# Altium PCB MATEKH743.PcbDoc (part 2 of 2)
Units mil, origin at the board's own origin, x right, y up, seen from the top; angles counter-clockwise.
Board outline 1417.32 x 1417.32 mil, 4 copper layers (Top Layer, GND, Power, Bottom Layer), stack 23.756 mil thick; 175 components, 127 nets, 521 pads, 215 vias.
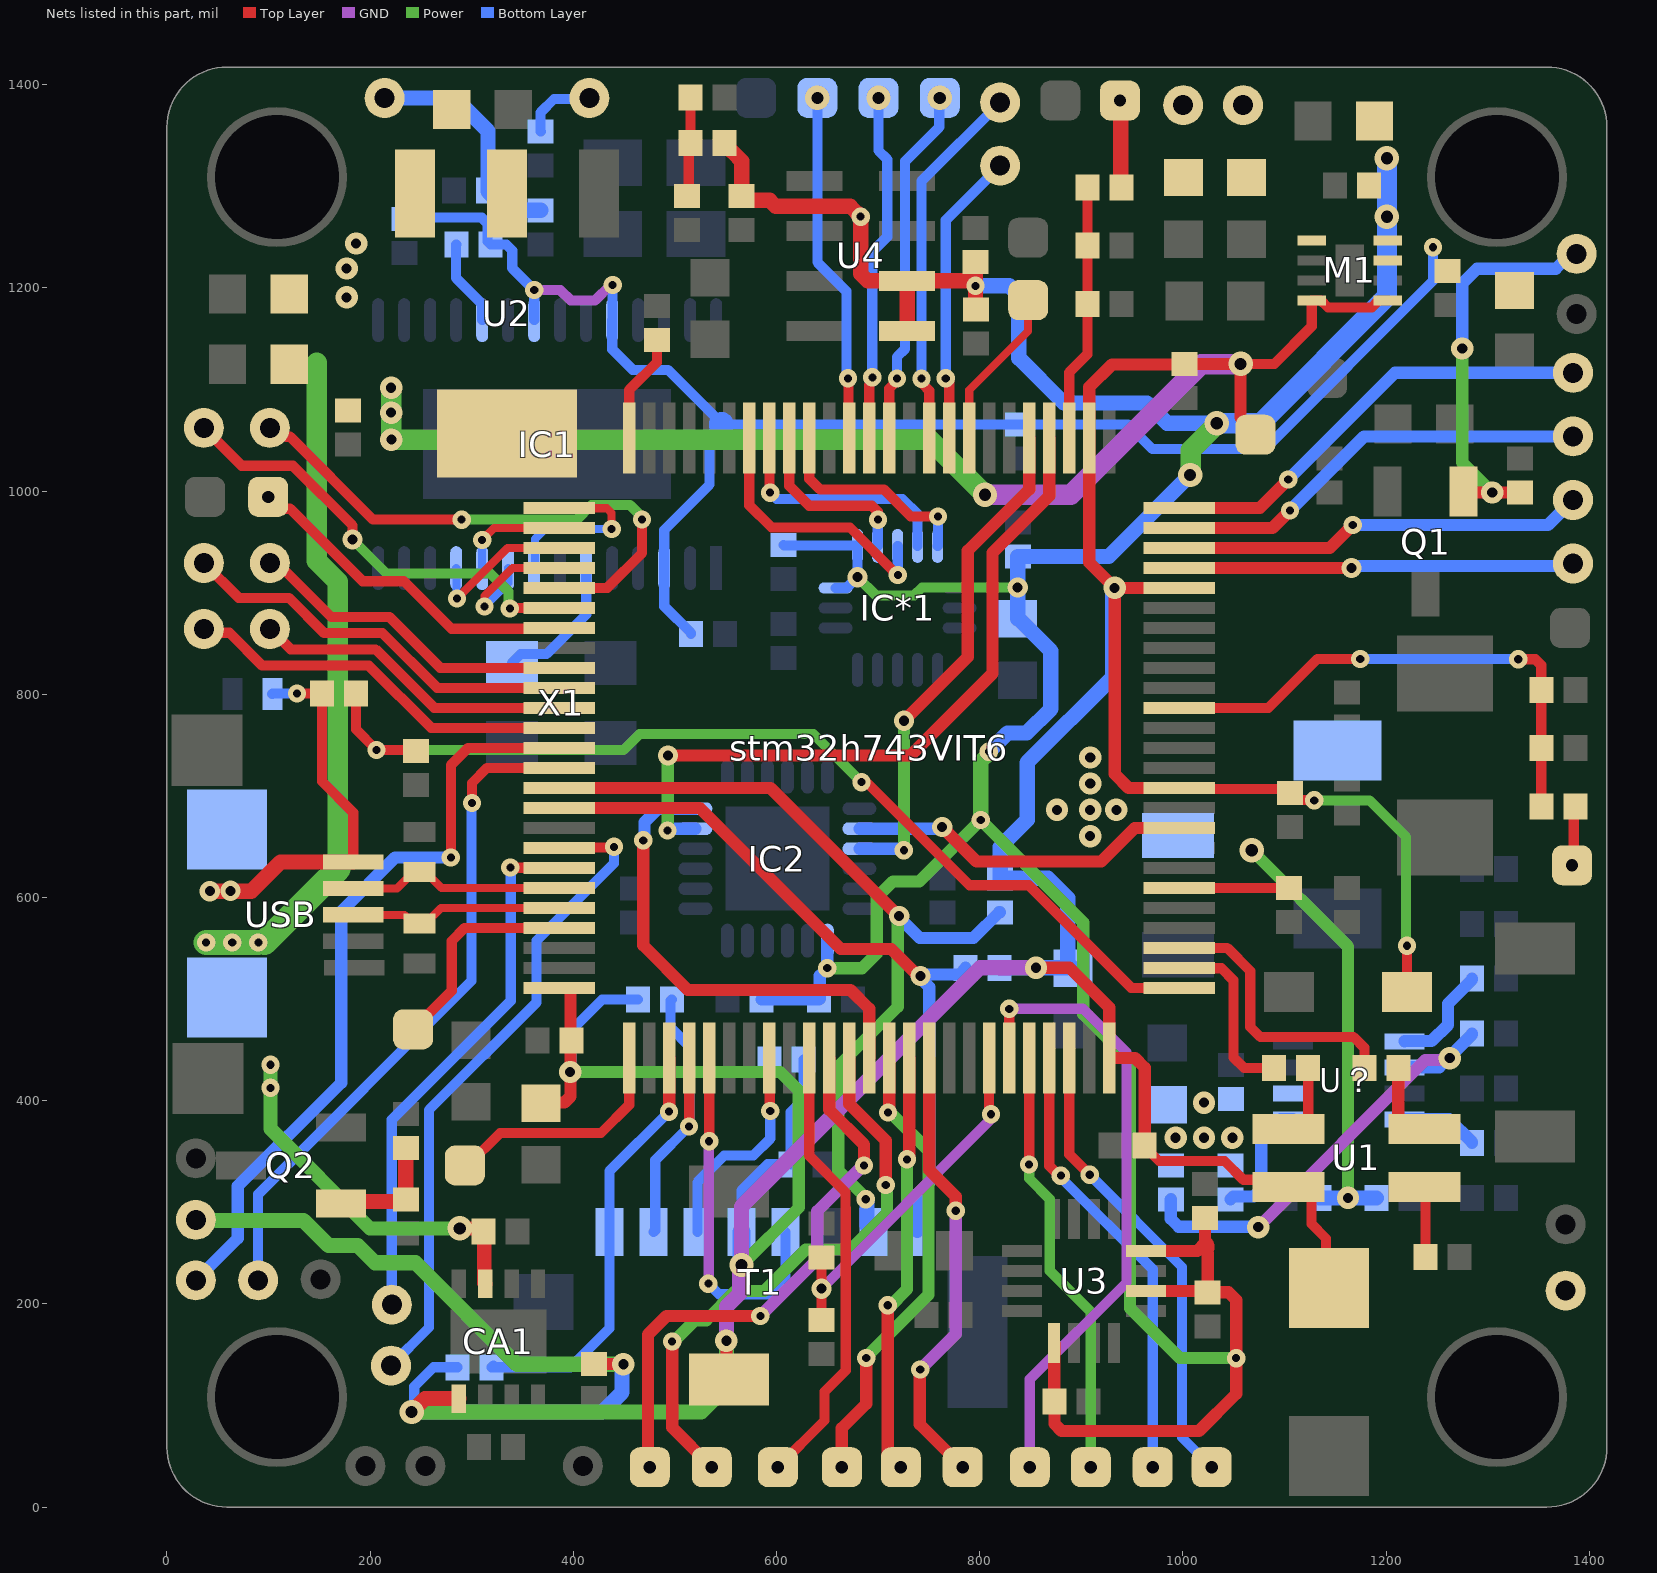
[diagram p4: the nets of this part, all layers, seen from the top]

## Via types
v1: diameter 18, hole 8, Top Layer to Bottom Layer, tented both sides, 128 vias
v2: diameter 22, hole 10, Top Layer to Bottom Layer, tented both sides, 35 vias
v3: diameter 24, hole 12, Top Layer to Bottom Layer, tented both sides, 34 vias
v4: diameter 20, hole 10, Top Layer to Bottom Layer, tented both sides, 16 vias
v5: diameter 18, hole 16, Top Layer to Bottom Layer, 2 vias

## Nets (pads, with @x,y where several pads share a name; then routed paths per layer and width w, separated by ;. In a path a pad name is that pad's centre, name@x,y a point inside that pad or via, vN(x,y) a via of type N, cw(c..) or ccw(c..) an arc to the next point about the centre after c; other vN are vias at no path point) (continued)
NetIC1_6: IC1.6 X1.1 | length 138.5
  Bottom Layer w10: X1.1@339.52,830.93 348.29,839.7 373.7,839.7 412.69,878.69 IC1.6@412.69,924.25
NetIC1_19: IC1.19 R37.1 | length 85.3
  Bottom Layer w10: R37.1@285.13,1242.9 284.7,1242.47 284.7,1209.72 310.32,1184.1 IC1.19@310.32,1168.35
NetQ2_1: Q2.1 R45.2 R46.1 | length 116
  Top Layer w15: Q2.1@171.33,298.9 173.4,300.97 233.05,300.97 R45.2@235.12,303.03 R46.1@235.12,353.57
NetR1_1: R1.1 stm32h743VIT6.6 | length 108.2
  Top Layer w10: stm32h743VIT6.6@996.42,609.5 996.55,609.37 1104.36,609.37 R1.1@1104.5,609.23
NetR8_2: R8.2 R9.2 stm32h743VIT6.94 | length 358.8
  Top Layer w10: R9.2@644.3,184.3 v4(644.3,215.07) R8.2@644.3,245.84 ; stm32h743VIT6.94@809.41,442.18 809,441.77 809,390.96 811.1,388.86 v1(811.1,386.7)
  GND w10: v4(644.3,215.07) 809.9,380.67 809.9,385.5 v1(811.1,386.7)
NetR12_1: R12.1 U1.2 | length 73.7
  Top Layer w10: U1.2@1103.9,372.26 1113.57,372.26 1123.33,382.02 R12.1@1123.33,432.2
NetR13_1: R13.1 U1.4 | length 80.5
  Top Layer w12: R13.1@1212.03,432.2 1212.03,381.02 1220.8,372.26 U1.4@1237.76,372.26
NetR14_1: R14.1 U1.3 | length 69.6
  Top Layer w10: U1.3@1237.76,315.18 1238.87,314.07 R14.1@1238.87,246
NetR19_1: R19.1 R23.2 U？.6 | length 447.1
  GND w12: v2(1074.1,275.6) 1238.59,440.09 1260.69,440.09 v2(1262.6,442)
  Bottom Layer w12: R19.1@988.3,303.07 988,302.77 988,283.8 995.8,276 1073.7,276 v2(1074.1,275.6) ; U？.6@1218.2,432.9 1252.23,432.9 1284.6,465.27 R23.2@1284.6,466.25
NetR21_2: R21.2 U？.5 | length 104.7
  Bottom Layer w12: U？.5@1218.2,458.49 1218.41,458.7 1244.8,458.7 1260.79,474.69 1260.79,495.4 1284.6,519.22 R21.2@1284.6,520.2
NetR25_1: R25.1 U？.1 | length 128.4
  Bottom Layer w12: R25.1@1046.8,303.07 1049.57,305.84 1070.09,305.84 1077.12,312.86 1077.12,371.63 1085.23,379.74 1094.41,379.74 1096.39,381.71 U？.1@1108.2,381.71
NetR27_2: R27.2 U？.8 | length 76.7
  Bottom Layer w12: U？.8@1218.2,381.71 1262.22,381.71 1284.6,359.33 R27.2@1284.6,358.35
NetR39_1: R39.1 R42.1 R43.2 | length 98.4
  Top Layer w10: R43.2@511.9,1290.63 513.63,1292.37 513.63,1340.87 R39.1@515.37,1342.6 R42.1@515.37,1387.6
OSD_IN: C45.2 R36.2 VT-I.1 | length 234.1
  Bottom Layer w15: VT-I.1@214.3,1386.9 283.6,1386.9 316.03,1354.47 316.03,1295.12 334.67,1276.48 C45.2@367.9,1276.48
OSD_OUT: R35.2 VT-O.1 | length 72.4
  Bottom Layer w10: R35.2@367.9,1354.13 367.8,1354.23 367.8,1372.8 381.01,1386.01 414.81,1386.01 VT-O.1@415.7,1386.9
PE3: R12.2 stm32h743VIT6.2 | length 178.7
  Top Layer w10: stm32h743VIT6.2@996.42,530.76 996.68,530.5 1037.9,530.5 1049.7,518.7 1049.7,442.8 1060.3,432.2 R12.2@1089.87,432.2
PE4: R13.2 stm32h743VIT6.3 | length 275.1
  Top Layer w10: stm32h743VIT6.3@996.42,550.45 1043.55,550.45 1066.3,527.7 1066.3,472.6 1076.2,462.7 1168,462.7 1178.57,452.13 R13.2@1178.57,432.2
Power_SW: PS.1 stm32h743VIT6.57 | length 340.6
  Top Layer w10: v3(99.7,994.4) 111.4,982.7 121.3,982.7 192.7,911.3 233.4,911.3 280.1,864.6 385.37,864.6 stm32h743VIT6.57@386.18,865.41
PWM_S1: S1.1 stm32h743VIT6.34 | length 291.6
  Top Layer w10: v1(766.6,1111) 770.04,1107.56 stm32h743VIT6.34@770.04,1052.42
  Bottom Layer w10: v1(766.6,1111) 766.6,1266.8 S1.1@820.2,1320.4
PWM_S2: S2.1 stm32h743VIT6.35 | length 365.5
  Top Layer w10: v1(742.6,1110.78) 744.13,1109.25 744.13,1105.18 750.36,1098.96 stm32h743VIT6.35@750.36,1052.42
  Bottom Layer w10: v1(742.6,1110.78) 742.6,1305 S2.1@820.2,1382.6
PWM_S3: S3.1 stm32h743VIT6.22 | length 389.4
  Top Layer w12: stm32h743VIT6.22@996.42,924.47 v4(1166,924.47)
  Bottom Layer w12: v4(1166,924.47) 1167.91,926.38 1381.58,926.38 S3.1@1384,928.8
PWM_S4: S4.1 stm32h743VIT6.23 | length 407.1
  Top Layer w12: stm32h743VIT6.23@996.42,944.15 1144.55,944.15 v1(1167.1,966.7)
  Bottom Layer w12: v1(1167.1,966.7) 1359.33,966.7 S4.1@1384,991.37
PWM_S5: S5.1 stm32h743VIT6.24 | length 424.9
  Top Layer w12: stm32h743VIT6.24@996.42,963.84 1088.24,963.84 v1(1105.3,980.9)
  Bottom Layer w12: v1(1105.3,980.9) 1178.33,1053.93 S5.1@1384,1053.93
PWM_S6: S6.1 stm32h743VIT6.25 | length 442.7
  Top Layer w12: stm32h743VIT6.25@996.42,983.52 1075.72,983.52 v1(1103.7,1011.5)
  Bottom Layer w12: v1(1103.7,1011.5) 1208.7,1116.5 S6.1@1384,1116.5
PWM_S7: S7.1 stm32h743VIT6.59 | length 327.7
  Top Layer w10: S7.1@101.3,929.3 108.51,929.3 161.51,876.3 218.8,876.3 269.06,826.04 stm32h743VIT6.59@386.18,826.04
PWM_S8: S8.1 stm32h743VIT6.60 | length 400.8
  Top Layer w10: S8.1@36.3,929.3 70.61,894.99 120.2,894.99 154.89,860.3 212.17,860.3 266.12,806.36 stm32h743VIT6.60@386.18,806.36
PWM_S9: S9.1 stm32h743VIT6.61 | length 317
  Top Layer w10: S9.1@101.3,864.3 101.84,864.3 121.84,844.3 205.4,844.3 263.03,786.67 stm32h743VIT6.61@386.18,786.67
PWM_S10: S10.1 stm32h743VIT6.62 | length 390.2
  Top Layer w10: S10.1@36.3,864.3 40.02,860.58 61.63,860.58 93.9,828.3 198.77,828.3 260.08,766.99 stm32h743VIT6.62@386.18,766.99
RSSI: RSSI.1 stm32h743VIT6.33 | length 159.6
  Top Layer w8: stm32h743VIT6.33@789.73,1052.42 789.73,1099.43 847.7,1157.4 RSSI.1@847.7,1188
RTS7: RTS7.1 stm32h743VIT6.39 | length 347.7
  Top Layer w10: v1(670.32,1111.02) 670.97,1110.38 670.97,1053.06 stm32h743VIT6.39@671.62,1052.42
  Bottom Layer w10: v3(640.2,1387.1) 640.2,1225.4 668.8,1196.8 668.8,1112.55 v1(670.32,1111.02)
RX1: RX1.1 stm32h743VIT6.69 | length 527
  Top Layer w10: v1(338,629.5) 338.16,629.35 386.02,629.35 stm32h743VIT6.69@386.18,629.19
  Bottom Layer w10: RX1.1@221.3,199.3 221.3,381.3 338.4,498.4 v1@338.4,629.5
RX2: RX2.1 stm32h743VIT6.87 | length 572.1
  Top Layer w12: v1(497.3,163.1) 497.3,78.3 v3(536.3,39.3) ; stm32h743VIT6.87@671.62,442.18 671.62,396.84 707.5,360.96 v1(707.5,317.08)
  Power w12: v1(497.3,163.1) 498.92,163.1 519.82,184 530.8,184 559.7,212.9 587.9,212.9 628.7,253.7 673.3,253.7 708.78,289.18 708.78,311.76 708.65,311.89 708.65,315.93 v1(707.5,317.08)
RX3: RX3.1 stm32h743VIT6.56 | length 440.7
  Top Layer w10: RX3.1@36.3,1062.3 73.51,1025.09 123.91,1025.09 182.7,966.3 v4(182.7,952.5) ; v1(337.57,884.6) 337.82,884.85 385.93,884.85 stm32h743VIT6.56@386.18,885.1
  Power w10: v4(182.7,952.5) 216.2,919 318.4,919 336.04,901.36 336.04,886.13 v1(337.57,884.6)
RX4: RX4.1 stm32h743VIT6.95 | length 629.1
  Top Layer w10: stm32h743VIT6.95@829.1,442.18 v1(829.1,490.5)
  GND w10: v1(829.1,490.5) 901.6,490.5 944.4,447.7 944.4,221 849.3,125.9 v3(849.3,39.3)
RX6: SBUS.1 stm32h743VIT6.64 | length 668.5
  Top Layer w10: v1(300.3,693.1) 300.3,712.8 315.12,727.62 stm32h743VIT6.64@386.18,727.62
  Bottom Layer w10: SBUS.1@89.8,223.3 89.8,308.1 299.8,518.1 v1@299.8,693.1
RX7: RX7.1 stm32h743VIT6.37 | length 355.3
  Top Layer w10: stm32h743VIT6.37@710.98,1052.42 710.98,1100.99 717.07,1107.07 717.07,1109.27 v1(718.6,1110.8)
  Bottom Layer w10: v1(718.6,1110.8) 718.6,1132.2 726.6,1140.2 726.6,1324.7 760.17,1358.27 760.17,1386.61 v3(760.67,1387.1)
RX8: RX8.1 stm32h743VIT6.97 | length 446.1
  Top Layer w10: stm32h743VIT6.97@868.47,442.18 868.47,335.93 878.11,326.29 v1(879.89,326.29)
  Bottom Layer w10: v1(879.89,326.29) 879.89,324.51 970.3,234.1 v3(970.3,39.3)
SDIOCK: stm32h743VIT6.80 T1.5 | length 354.6
  Top Layer w10: v1(533.7,360.2) 533.82,360.32 533.82,382.6 stm32h743VIT6.80@533.82,442.18
  GND w10: v1(532.9,220) 533.3,220.4 533.3,359.8 v1(533.7,360.2)
  Bottom Layer w10: v1(532.9,220) 543.4,209.5 592.7,209.5 608.72,225.52 T1.5@608.72,270.7
SDIOCMD: R3.1 stm32h743VIT6.83 T1.3 | length 269.1
  Top Layer w10: stm32h743VIT6.83@592.87,442.18 593.34,441.72 593.34,390.36 v1(593.8,389.9)
  Bottom Layer w10: T1.3@522.1,270.7 522.1,319.7 548.55,346.15 577.22,346.15 593.8,362.73 v1(593.8,389.9) 593.53,390.17 593.53,440.13 R3.1@593.27,440.4
SDIOD0: R7.1 stm32h743VIT6.65 T1.7 | length 856.8
  Top Layer w12: stm32h743VIT6.65@386.18,707.93 593.97,707.93 720.1,581.8 v4(720.7,581.8)
  Power w12: v1(687.78,303.06) 687.78,304.58 660.7,331.66 660.7,433.9 719.3,492.5 719.3,580.4 v4(720.7,581.8)
  Bottom Layer w12: v4(720.7,581.8) 720.7,580.4 741,560.1 793.75,560.1 819.12,585.47 R7.1@820.1,585.47
  Bottom Layer w15: v1(687.78,303.06) 687.78,302.25 689.05,300.98 689.05,276.97 T1.7@695.33,270.7
SDIOD1: R6.1 stm32h743VIT6.66 T1.8 | length 732.9
  Top Layer w12: stm32h743VIT6.66@386.18,688.24 524.56,688.24 663.3,549.5 712.84,549.5 739.48,522.86 v4(741.64,522.86)
  Bottom Layer w12: T1.8@738.64,270.7 T1.8@738.64,270.7 738.6,308 750.36,319.76 750.36,511.98 741.64,520.69 v4(741.64,522.86) 743.17,524.39 780.32,524.39 786.14,530.2 R6.1@786.14,530.9
SDIOD2: R5.1 stm32h743VIT6.78 T1.1 | length 425
  Top Layer w12: v1(494.1,389.3) 494.45,389.65 stm32h743VIT6.78@494.45,442.18
  Bottom Layer w10: R5.1@321.5,139.57 R5.1@319.63,137.7 397.3,137.7 435.49,175.89 T1.1@435.49,270.7 435.49,330.69 v1(494.1,389.3)
SDIOD3: R4.1 stm32h743VIT6.79 T1.2 | length 319.3
  Top Layer w10: v1(513.82,374.7) 514.1,374.98 stm32h743VIT6.79@514.1,442.15
  Bottom Layer w10: T1.2@478.8,270.7 480.6,272.5 480.6,341.48 v1(513.82,374.7) 514.1,374.98 514.1,453.8 495.8,472.1 495.8,498.6 R4.1@496.9,499.7
SPI1_CS: IC2.8 stm32h743VIT6.9 | length 343.2
  Top Layer w12: v4(762.99,669.51) 796.9,635.6 919.6,635.6 952.56,668.56 stm32h743VIT6.9@996.42,668.56
  Bottom Layer w12: IC2.8@681.61,667.83 759.15,667.83 760.83,669.51 v4(762.99,669.51)
SPI1_MISO: IC2.9 stm32h743VIT6.30 | length 501.4
  Top Layer w12: v4(725.4,774.03) 788.2,836.83 788.2,941.3 848.78,1001.88 stm32h743VIT6.30@848.78,1052.42
  Power w12: v1@725.38,646.57 v4(725.4,774.03)
  Bottom Layer w12: IC2.9@681.61,648.14 723.76,648.14 v1(725.35,646.55)
SPI1_MOSI: IC2.24 stm32h743VIT6.88 | length 474.1
  Top Layer w12: v1(468.8,656.3) 468.8,553 512.7,509.1 672.7,509.1 691.3,490.5 stm32h743VIT6.88@691.3,442.18
  Bottom Layer w12: v1(468.8,656.3) 469.95,657.45 469.95,674.05 483.41,687.51 IC2.24@520.19,687.51
SPI1_SCK: IC2.23 stm32h743VIT6.29 | length 710.1
  Top Layer w12: v4(493.19,739.9) 732,739.9 812.6,820.5 812.6,939.4 868.47,995.27 stm32h743VIT6.29@868.47,1052.42
  Power w12: v1(492.7,666.1) 492.94,666.34 492.94,739.66 v4(493.19,739.9)
  Bottom Layer w12: v1(492.7,666.1) 494.32,666.1 495.94,667.71 520.08,667.71 IC2.23@520.19,667.83
SPI2_CS: IC1.8 stm32h743VIT6.51 | length 177.8
  Top Layer w8: stm32h743VIT6.51@386.18,983.52 386.5,983.2 433.01,983.2 437.7,978.51 v1(437.7,962.8)
  Bottom Layer w8: IC1.8@361.5,924.25 362.23,924.98 362.23,952.83 372.2,962.8 v1(437.7,962.8)
SPI2_MISO: IC1.11 stm32h743VIT6.53 | length 151.5
  Top Layer w8: v1(285.5,894.4) 335.25,944.15 stm32h743VIT6.53@386.18,944.15
  Bottom Layer w8: IC1.11@284.73,924.25 285.12,923.87 285.12,894.78 v1(285.5,894.4)
SPI2_MOSI: IC1.9 stm32h743VIT6.54 | length 143.4
  Top Layer w8: v1(312.5,886.4) 312.5,896.98 339.99,924.47 stm32h743VIT6.54@386.18,924.47
  Bottom Layer w8: v1(312.5,886.4) 332.7,906.6 332.98,906.6 335.91,909.54 IC1.9@335.91,924.25
SPI2_SCK: IC1.10 stm32h743VIT6.52 | length 108.7
  Top Layer w8: v1(310.3,952) 310.3,952.3 321.84,963.84 stm32h743VIT6.52@386.18,963.84
  Bottom Layer w8: IC1.10@310.32,924.25 v1(310.3,952)
SPI3_CS: SPI3CS.1 stm32h743VIT6.85 | length 445.4
  Top Layer w10: v3(601.3,39.3) 647.3,85.3 647.3,113.67 668.1,134.47 668.1,294.46 667.78,294.78 667.78,310.22 632.24,345.76 stm32h743VIT6.85@632.24,442.18
SPI3_MISO: SP3MI.1 stm32h743VIT6.90 | length 417.9
  Top Layer w12: v1(709.5,198.7) 709.5,52.1 v3(722.3,39.3) ; v1(728.5,342.3) 730.67,344.47 stm32h743VIT6.90@730.67,442.18
  Power w12: v1@711.15,197.05 728.5,214.4 v1(728.5,342.3)
SPI3_MOSI: SP3MO.1 stm32h743VIT6.91 | length 445.9
  Top Layer w12: v1(741.5,135.6) 741,135.1 741,81.6 v3(783.3,39.3) ; stm32h743VIT6.91@750.36,442.18 750.36,331.94 776.4,305.9 v1(776.4,291.7)
  GND w12: v1(741.5,135.6) 776.4,170.5 v1(776.4,291.7)
SPI3_SCK: SP3SCK.1 stm32h743VIT6.89 | length 456.6
  Top Layer w12: v3(664.3,39.3) 664.3,77.7 688.3,101.7 v1(688.3,146.8) ; v1(709.67,388.48) 709.67,390.11 710.98,391.42 stm32h743VIT6.89@710.98,442.18
  Power w12: v1(688.3,146.8) 688.3,147.8 749.5,209 749.5,351 712.01,388.48 v1(709.67,388.48)
SPI4_CS: IC*1.5 stm32h743VIT6.41 | length 211.5
  Top Layer w10: stm32h743VIT6.41@632.24,1052.42 stm32h743VIT6.41@632.24,1052.42 632.2,1012.3 642.7,1001.8 705.5,1001.8 732.2,975.1 v1(759,975.1)
  Bottom Layer w10: IC*1.5@758.58,946.14 758.78,946.34 758.78,974.88 v1(759,975.1)
SPI4_MISO: IC*1.4 stm32h743VIT6.43 | length 239.4
  Top Layer w10: stm32h743VIT6.43@592.87,1052.42 593.03,1052.26 593.03,999.22 v1(593.72,998.53)
  Bottom Layer w10: v1(593.72,998.53) 595.25,997 599.95,992.3 724,992.3 738.9,977.4 IC*1.4@738.9,946.14
SPI4_MOSI: IC*1.3 stm32h743VIT6.44 | length 269.7
  Top Layer w10: stm32h743VIT6.44@573.19,1052.42 573.19,986.21 595.2,964.2 672.3,964.2 719.1,917.4 v1(719.4,917.4)
  Bottom Layer w10: IC*1.3@719.21,946.14 719.31,946.04 719.31,917.49 v1(719.4,917.4)
SPI4_SCK: IC*1.2 stm32h743VIT6.42 | length 178.7
  Top Layer w10: stm32h743VIT6.42@612.56,1052.42 612.56,1005.24 632.2,985.6 693.84,985.6 699.7,979.74 699.7,972.2 v1(699.9,972)
  Bottom Layer w10: IC*1.2@699.53,946.14 699.72,946.33 699.72,971.82 v1(699.9,972)
SWCLK: stm32h743VIT6.76 SWC.1 | length 232.6
  Top Layer w10: SWC.1@293.3,336.3 295.92,336.3 327.93,368.31 427.31,368.31 455.08,396.08 stm32h743VIT6.76@455.08,442.18
SWDIO: stm32h743VIT6.72 SWD.1 | length 213.9
  Top Layer w10: SWD.1@242.3,470.3 280.3,508.3 280.3,557.3 293.13,570.13 stm32h743VIT6.72@386.18,570.13
TX1: stm32h743VIT6.68 TX1.1 | length 655.8
  Top Layer w10: stm32h743VIT6.68@386.18,648.87 386.69,649.39 439.49,649.39 v1(440,649.9)
  Bottom Layer w10: TX1.1@220.3,139.3 257.9,176.9 257.9,391 363.9,497 363.9,557.7 440,633.8 v1(440,649.9)
TX2: stm32h743VIT6.86 TX2.1 | length 563.9
  Top Layer w12: v3(475.3,39.3) 479.13,43.13 473.4,48.87 473.4,169.9 491.7,188.2 v1(584.1,188.2) ; stm32h743VIT6.86@651.93,442.18 651.93,391.07 686.1,356.9 v1(686.1,336.3)
  GND w12: v1(584.1,188.2) 640,244.1 640,291.3 685,336.3 v1(686.1,336.3)
TX3: stm32h743VIT6.55 TX3.1 | length 545.9
  Top Layer w10: TX3.1@101.3,1062.3 109.25,1062.3 117.95,1053.6 121.3,1053.6 202.9,972 v1(290.1,972) ; stm32h743VIT6.55@386.18,904.78 433.38,904.78 467.7,939.1 v1(467.7,972.2)
  Power w10: v1(290.1,972) 403.5,972 417.9,986.4 455.9,986.4 457,985.3 457,985.06 467.7,974.36 v1(467.7,972.2)
TX4: stm32h743VIT6.96 TX4.1 | length 428.2
  Top Layer w10: v1(848.47,337.2) 848.47,340.6 848.78,340.92 stm32h743VIT6.96@848.78,442.18
  Power w10: v1(848.47,337.2) 848.7,336.96 848.7,323.5 869,303.2 869,232.6 909.3,192.3 v3(909.3,39.3)
TX6: stm32h743VIT6.63 TX6.1 | length 757.8
  Top Layer w10: v1@280.1,639.5 279.5,640.1 279.5,730.3 296.5,747.3 stm32h743VIT6.63@386.18,747.3
  Bottom Layer w12: TX6.1@28.3,223.3 69.7,264.7 69.7,316 171.5,417.8 171.5,586.4 224.6,639.5 v1@280.1,639.5
  other v1: 279.5,639.5
TX7: stm32h743VIT6.38 TX7.1 | length 352.1
  Top Layer w10: stm32h743VIT6.38@691.3,1052.42 691.3,1104.64 692.77,1106.11 692.77,1110.49 v1(694.3,1112.02)
  Bottom Layer w10: v1(694.3,1112.02) 694.3,1235.6 709,1250.3 709,1326.6 700.43,1335.17 v3(700.43,1387.1) TX7.1@695.83,1382.5
TX8: stm32h743VIT6.98 TX8.1 | length 460.9
  Top Layer w10: stm32h743VIT6.98@888.15,442.18 888.15,347.35 v1(908.3,327.2)
  Bottom Layer w10: v1(908.3,327.2) 999.1,236.4 999.1,68.5 v3(1028.3,39.3)
USB_D_N: ED2.1 stm32h743VIT6.70 USB.2 | length 216.1
  Top Layer w8: USB.2@183.4,609 226.4,609 242.7,625.3 ED2.1@248.5,625.3 254.4,625.3 270.2,609.5 stm32h743VIT6.70@386.18,609.5
USB_D_P: ED1.1 stm32h743VIT6.71 USB.3 | length 212.8
  Top Layer w8: USB.3@183.4,583 233.9,583 242.6,574.3 ED1.1@248.5,574.3 254.3,574.3 269.82,589.82 stm32h743VIT6.71@386.18,589.82
USB_DETECT: R2.1 R47.1 stm32h743VIT6.1 | length 1003.6
  Top Layer w10: R2.1@186.03,800.87 186.03,765.57 v1(206.3,745.3) 244.03,745.3 R47.1@245.3,744.03 ; v1(683.7,713.6) 688.5,713.6 789.99,612.11 848.19,612.11 949.22,511.08 stm32h743VIT6.1@996.42,511.08
  Power w10: v1(206.3,745.3) 449.5,745.3 465.1,760.9 636.4,760.9 v1(683.7,713.6)
VB2: C18.2 R15.1 R17.1 stm32h743VIT6.28 | length 253.9
  Top Layer w10: stm32h743VIT6.28@888.15,1052.42 888.15,1116.89 906,1134.74 R17.1@906,1184.23 C18.2@906,1241.57 R15.1@906,1298.9
VB2_PAD: R15.2 VB2.1 | length 86.2
  Top Layer w15: v3(938,1384.5) 938.73,1383.77 938.73,1299.63 R15.2@939.46,1298.9
VBAT1: C19.2 R16.1 R18.1 stm32h743VIT6.15 | length 518.1
  Top Layer w10: stm32h743VIT6.15@996.42,786.67 1084.17,786.67 1132.4,834.9 v1(1174.5,834.9) ; v1(1330,834.6) 1346.9,834.6 1352.77,828.73 R18.1@1352.77,804.5 R16.1@1352.77,689.5
  Bottom Layer w10: v1(1174.5,834.9) 1174.65,834.75 1329.85,834.75 v1(1330,834.6)
VBAT1_PAD: R16.2 VB1.1 | length 59
  Top Layer w10: v3(1383,631.8) 1384.62,633.42 1384.62,687.88 R16.2@1386.23,689.5
VBUS_IN: D3.1 ED3.1 R2.2 USB.1 | length 401.1
  Top Layer w10: v1(128,800.8) v1(128,800.8) R2.2@152.53,800.84 ; USB.1@183.4,635 183.4,683.6 152.57,714.43 R2.2@152.57,800.87 ; R2.2@152.53,800.84 R2.2@152.57,800.87
  Top Layer w15: v4(42.3,606.3) 83.1,606.3 ; v4@62.59,606.3 83.1,606.3 ; USB.1@183.4,635 111.8,635 83.1,606.3
  Bottom Layer w10: ED3.1@103.75,800.45 104.11,800.8 v1(128,800.8)
  other v4: 62.59,606.59
VCC303: C20.2 C21.1 C50.2 C51.2 C53.2 C54.1 C55.1 C58.2 C59.2 IC2.13 IC*1.1 IC*1.16 M1.8 R38.2 R39.2 R40.2 R41.1 R44.1 U3.2 U3.4 U3.13 U4.1 U4.2 | length 3646.6
  Top Layer w8: 1021.8,264.42 cw(c1017.91,256.11) 1027.09,256.11 cw(c1017.91,256.11) 1024.4,249.63
  Top Layer w12: U3.13@873.27,161.68 873.37,161.58 873.37,104.3 R41.1@873.57,104.1 873.57,82.03 880.6,75 1015.9,75 1052.5,111.6 1052.5,203.9 1044.87,211.53 R38.2@1024.4,211.53 ; U3.2@963.82,212.86 963.92,212.76 1023.17,212.76 R38.2@1024.4,211.53 ; U3.4@963.82,252.23 1014.03,252.23 1021.8,260 1021.8,264.42 C59.2@1021.8,284.47 ; 1024.4,249.63 R38.2@1024.4,211.53
  Top Layer w15: R39.2@548.83,1342.6 548.83,1341.62 556.72,1333.73 556.91,1333.73 565.7,1324.94 R40.2@565.7,1290.63 570.01,1286.32 593.23,1286.32 599.15,1280.4 672.6,1280.4 v1(682.8,1270.2) 682.8,1214 689.81,1206.99 U4.2@728.67,1206.99 ; U4.1@728.67,1157.78 U4.2@728.67,1206.99 ; C58.2@795.8,1225.4 795.95,1225.25 v1(795.95,1202.12) ; R44.1@796.1,1178.83 795.95,1178.98 v1(795.95,1202.12) ; U4.2@728.67,1206.99 791.07,1206.99 v1(795.95,1202.12)
  Power w10: v4(679.7,915.36) 697.66,897.4 735.5,897.4 743.26,905.16 v4(837.35,905.16)
  Power w12: v1(650,530.5) 684.1,530.5 698.6,545 698.6,600 714.5,615.9 740.5,615.9 v1(801,676.4) 901.9,575.5 901.9,485.2 947.9,439.2 947.9,195.7 996.9,146.7 v1(1052.4,146.7) ; v1@809,741.98 v1(809,743.6)
  Power w15: v1(801,676.4) 801,733.98 v1@809,741.98
  Power w20: v3(1007.1,1015.9) 1007.87,1016.67 1007.87,1040.38 1033.3,1065.82 v3(1033.3,1066.9)
  Bottom Layer w10: C50.2@607,946.96 607.41,946.55 679.43,946.55 679.7,946.28 v4(679.7,915.36) 669.14,904.8 IC*1.16@658.19,904.8
  Bottom Layer w12: C54.1@585.13,499.7 C53.2@641.7,499.7 642.5,500.5 642.5,523 v1(650,530.5) 650,557.48 IC2.13@650.11,557.59
  Bottom Layer w15: v1(795.95,1202.12) 829.08,1202.12 838.5,1192.7 838.5,1130.9 882.7,1086.7 964.6,1086.7 984.4,1066.9 v3(1033.3,1066.9) ; v1(809,743.6) 827.4,762 846.2,762 869.99,785.79 869.99,842.71 838.18,874.52 C51.2@837.2,874.52 837.35,874.66 v4(837.35,905.16) 837.35,935.65 C55.1@837.5,935.8 927,935.8 v3(1007.1,1015.9)
  Bottom Layer w20: v3(1033.3,1066.9) 1076.4,1066.9 1200.8,1191.3 v3(1200.8,1270.1) v3(1200.8,1327.7)
VCCOSD: C25.1 C26.2 C46.1 C47.1 C48.1 IC1.3 IC1.21 IC1.24 M1.7 R37.2 | length 1601.2
  GND w10: v1(361.5,1197.9) 387.24,1197.9 397.33,1187.8 421.44,1187.8 436.54,1202.9 v1(438.7,1202.9)
  Bottom Layer w8: 553.86,1065.73 ccw(c545.63,1065.73) 553.86,1065.73
  Bottom Layer w10: C46.1@234,1267.7 235.5,1269.2 309.84,1269.2 315.7,1263.34 315.7,1245.8 R37.2@318.6,1242.9 318.8,1242.7 334,1242.7 339.86,1236.84 339.86,1219.54 v1(361.5,1197.9) IC1.21@361.5,1168.35 ; v1(438.7,1202.9) 438.49,1202.69 438.49,1168.56 IC1.24@438.28,1168.35 438.28,1139.62 458.5,1119.4 493.2,1119.4 540.47,1072.13 546.1,1066.5 ; C47.1@515.77,859.5 515.77,860.48 489.46,886.79 IC1.3@489.46,924.25 489.46,961.86 534,1006.4 534,1054.1 539.82,1059.92 545.63,1065.73 553.86,1065.73 C48.1@837.5,1065.73 945.68,1065.73 970.01,1041.4 1080.6,1041.4 1246.2,1207 v1(1246.2,1240.1)
VDD5V: 5V1.1 5V2.1 5V.1 C1.2 C17.1 C23.2 C24.2 C27.1 C28.2 C37.2 CA1.3 D3.2 L1.2 M1.1 Q1.1 R28.1 R31.2 U2.3 | length 1869.6
  Top Layer w12: Q1.1@1276.4,999.51 1277.28,998.64 v2(1304.49,998.64) C1.2@1331.7,998.64
  Top Layer w14: v3(288.2,274.4) 308.47,274.4 C17.1@311.57,271.3 312.43,270.43 312.43,220.57 CA1.3@313.3,219.7
  Power w12: v3(1067.7,646.6) 1162.45,551.85 v2(1162.45,304.4) ; v2(1275,1140.48) 1275,1028.12 v2(1304.49,998.64)
  Power w14: v1(101.9,435.5) v1(101.9,412.7) 101.9,372.4 199.9,274.4 v3(288.2,274.4)
  Power w20: v1(90,555.8) v1@96,555.8 ; 147.4,1126.5 147.4,931.6 168.3,910.7 168.3,628.1
  Power w25: v1(38.6,555.8) v1(64.3,555.8) v1(90,555.8) ; v1@96,555.8 168.3,628.1
  Bottom Layer w12: v2(1275,1140.48) 1275,1204.4 1289.5,1218.9 1366.89,1218.9 1381.59,1233.6 5V2.1@1387.6,1233.6
  Bottom Layer w15: R31.2@1134.4,304.4 v2(1162.45,304.4) R28.1@1190.5,304.4
  other v2: 908.7,660.5 876.1,686.3 908.7,686.3 934.5,686.3 908.8,712.2 908.8,737.9 176.9,1190.7 176.9,1219.1 186.2,1243.76
VDDMCU: 3V3.1 BEEP+.1 BOOT.2 C4.2 C5.1 C6.1 C7.1 C8.1 C9.1 C10.2 C11.2 C29.2 C30.1 CA1.5 D1.1 D2.2 M1.4 M1.5 R3.2 R4.2 R5.2 R6.2 R7.2 R10.2 stm32h743VIT6.11 stm32h743VIT6.21 stm32h743VIT6.27 stm32h743VIT6.50 stm32h743VIT6.75 stm32h743VIT6.100 T1.4 U1.1 U2.2 | length 6250
  Top Layer w10: stm32h743VIT6.50@455.08,1052.42 455.08,1099.68 482.3,1126.9 C8.1@482.3,1148.57 ; C6.1@962.43,355.8 962.43,354.82 976.5,340.74 1040.96,340.74 1059.51,322.19 1096.89,322.19 U1.1@1103.9,315.18 1116.73,315.18 1126.5,305.41 1126.5,278.8 1140.91,264.39 1140.91,218.77 D2.2@1143.8,215.88 ; stm32h743VIT6.11@996.42,707.93 997.42,706.93 1101.5,706.93 C5.1@1105.5,702.93 1112.31,696.12 1128.88,696.12 v1(1129.3,695.7) ; v3(1056.77,1125.23) 1089.83,1125.23 1126.8,1162.2 M1.4@1126.8,1187.77 1135.8,1187.77 1142.77,1180.8 1185.83,1180.8 1192.8,1187.77 M1.5@1201.8,1187.77 ; D1.1@1220.47,507.3 1220.47,552.17 1220.6,552.3 v1(1220.6,552.6)
  Top Layer w12: C4.2@368.3,397.62 368.98,398.3 391.44,398.3 397.3,404.16 397.3,510.08 396.3,511.08 stm32h743VIT6.75@386.18,511.08 ; R10.2@420.2,140.93 420.37,140.77 449.13,140.77 v2(449.3,140.6) ; v2(550.7,163.8) 550.7,128.38 BOOT.2@553.3,125.78 ; v2(855.41,530.9) 888.29,530.9 927.52,491.67 stm32h743VIT6.100@927.52,442.18 952.72,442.18 962.43,432.47 C6.1@962.43,355.8 ; stm32h743VIT6.11@996.42,707.93 946.57,707.93 932.82,721.68 v2(932.82,904.78) ; stm32h743VIT6.21@996.42,904.78 v2(932.82,904.78) ; 3V3.1@1071.5,1055.6 1071.5,1057.68 1056.77,1072.41 v3(1056.77,1125.23) C7.1@1001.5,1125.23 1001.07,1124.8 930.2,1124.8 907.84,1102.44 stm32h743VIT6.27@907.84,1052.42 907.84,929.76 v2(932.82,904.78)
  Top Layer w15: v3(240.8,93.7) 254,106.9 CA1.5@287.3,106.9
  Top Layer w20: v2(220.7,1101.8) v2@220.8,1101.7 ; v2@220.8,1050.8 v2(220.9,1050.7)
  GND w15: v2(550.7,163.8) 550.7,197.4 563.78,210.48 563.78,236.68 v3(565.5,238.4) 565.5,296 800.4,530.9 v2(855.41,530.9)
  GND w20: v3(805.2,996.4) 889.6,996.4 1018.05,1124.85 1056.39,1124.85 v3(1056.77,1125.23)
  Power w10: v1(1129.3,695.7) 1183.6,695.7 1219.6,659.7 1219.6,553.6 v1(1220.6,552.6)
  Power w12: v2(396.9,428.3) 603.6,428.3 621.9,410 621.9,294.8 v3(565.5,238.4)
  Power w15: BEEP+.1@28.4,282.8 29,282.2 134.4,282.2 159.11,257.49 187.82,257.49 204.76,240.55 244.75,240.55 344.7,140.6 v2(449.3,140.6) ; v3(240.8,93.7) 525.9,93.7 550.7,118.5 v2(550.7,163.8)
  Power w20: v2(220.7,1101.8) 220.8,1101.7 220.8,1050.8 v2(220.9,1050.7) 750.9,1050.7 v3(805.2,996.4)
  Bottom Layer w10: v3(240.8,93.7) 243.48,96.38 243.48,118.78 262.4,137.7 R5.2@286.17,137.7 ; v2(396.9,428.3) 398,429.4 398,469.2 428.5,499.7 R4.2@463.44,499.7 ; T1.4@565.5,270.61 T1.4@565.41,270.7 565.41,311.71 591.2,337.5 C11.2@613.87,337.5 613.87,388.97 626.73,401.83 R3.2@626.73,440.4
  Bottom Layer w15: v3(240.8,93.7) 428.6,93.7 447.96,113.06 447.96,139.26 v2(449.3,140.6) ; R6.2@819.6,530.9 v2(855.41,530.9) C10.2@891.21,530.9 ; C10.2@891.7,530.41 C10.2@891.21,530.9 ; v2(932.82,904.78) 931.48,903.44 931.48,898.49 930.7,897.71 930.7,816.8 846.7,732.8 846.7,676.3 820.1,649.7 R7.2@820.1,618.93 867.17,618.93 886.6,599.5 886.6,535.52 C10.2@891.21,530.9
  Bottom Layer w18: v3(565.5,238.4) T1.4@565.5,270.61
  other v2: 220.7,1077.3
VIN26: C31.2 C32.2 R19.2 R25.2 U？.2 VIN.1
  other v2: 992.8,363.6 1020.75,363.6 1048.7,363.6 1020.75,398.2
pads on no net: CA1.9 IC1.0 IC1.1 IC1.2 IC1.7 IC1.12 IC1.13 IC1.14 IC1.15 IC1.16 IC1.17 IC1.18 IC1.27 IC1.28 IC2.0 IC2.2 IC2.3 IC2.4 IC2.5 IC2.6 IC2.7 IC2.11 IC2.14 IC2.15 IC2.16 IC2.17 IC2.19 IC2.21 IC2.22 IC*1.7 IC*1.8 M1.6 M1.9 stm32h743VIT6.4 stm32h743VIT6.5 stm32h743VIT6.7 stm32h743VIT6.8 stm32h743VIT6.17 stm32h743VIT6.18 stm32h743VIT6.84 T1.9 T1.10 U3.3 U3.5 U3.6 U3.7 U3.14 U3.15 U4.6 USB.0 USB.4 X1.2 X1.4
copper on no net:
  other v5: 124.4,508 123.9,658

## Polygon pours and split planes (outlines as drawn)
GND on Top Layer "GND_L01_P017" (solid, pour order 17): 0,0 1417.4,0 1417.4,1417.4 0,1417.4
VCCOSD on Top Layer "VCCOSD_L01_P003" (solid, remove dead copper, pour order 3): 1227.2,1235 1242.2,1250 1263.23,1250 1278.23,1235 1286.94,1228.8 1339.8,1228.8 1348.7,1219.9 1348.7,1178.7 1344.3,1174.3 1298,1174.3 1291.3,1181 1291.3,1195.7 1284.2,1202.8 1239.7,1202.8 1223,1219.5 1187.1,1219.5 1184.6,1222 1184.6,1231.7 1186.6,1235
GND on Top Layer "GND_L01_P015" (solid, pour order 15): 316.4,1417.4 316.4,1357.3 322.2,1351.5 375.8,1351.5 384.8,1342.5 384.8,1206.4 397,1194.2 397,1123.4 406,1114.4 425.5,1114.4 449.5,1138.4 449.5,1162.8 456.1,1169.4 497.6,1169.4 515.8,1187.6 552.4,1187.6 558.1,1193.3 558.1,1231.6 530.5,1259.2 530.5,1267.7 526.9,1271.3 496.3,1271.3 484.5,1283.1 484.5,1354.7 484.5,1410.2 477.3,1417.4
VDDMCU on Top Layer "VDDMCU_L01_P004" (solid, pour order 4): 95.7,1147.6 95.7,1103.4 103.8,1095.3 115.7,1095.3 145.7,1065.3 377.4,1065.3 384.1,1072 384.1,1181.5 364.1,1201.5 364.1,1331.3 355,1340.4 315.5,1340.4 301.9,1326.8 301.9,1199.8 255.9,1153.8 101.9,1153.8
VDD5V on Top Layer "VDD5V_L01_P005" (solid, pour order 5): 94.9,1168 228,1168 279.6,1219.6 279.6,1323.9 307,1351.3 307,1397.8 299.4,1405.4 259.8,1405.4 247.3,1392.9 247.3,1373.1 200.3,1326.1 200.3,1273.7 149.5,1222.9 101.6,1222.9 92.3,1213.6 92.3,1175.1
GND on Top Layer "GND_L01_P002" (solid, pour order 2): 1141.2,1219 1143,1220.8 1143,1233.2 1140.6,1235.6 1103.8,1235.6 1088.5,1250.9 1088.5,1268.2 1080.5,1276.2 979.7,1276.2 968.8,1265.3 931.7,1265.3 925.8,1259.4 925.8,1168.1 932.9,1161 1020.5,1161 1025.7,1166.2 1025.7,1203.3 1043.05,1219
VCC303 on Top Layer "VCC303_L01_P001" (solid, pour order 1): 1168.8,1385.8 1168.8,1281.9 1184.3,1266.4 1184.3,1241.6 1186.1,1239.8 1216.3,1239.8 1218.8,1242.3 1218.8,1383.2 1211.6,1390.4 1173.4,1390.4
VDD5V on Top Layer "VDD5V_L01_P000" (solid, pour order 0): 1141.2,1241.2 1142.7,1242.7 1142.7,1268.9 1115,1296.6 1115,1321.5 1086.9,1349.6 1086.9,1400.4 1078.4,1408.9 981.2,1408.9 973.8,1401.5 973.8,1283.9 976.6,1281.1 1086.9,1281.1 1096.5,1271.5 1096.5,1253.5 1108.8,1241.2
GND on Bottom Layer "GND_L04_P023" (solid, pour order 23): 0,0 1417.4,0 1417.4,1417.4 0,1417.4
VDD5V on Bottom Layer "VDD5V_L04_P013" (solid, pour order 13): 906.02,631.4 1088,631.4 1136.4,679.8 1193.1,679.8 1222,708.7 1222,773.1 1211.8,783.3 925.1,783.3 893.3,751.5 893.3,649.43
GND on Bottom Layer "GND_L04_P012" (solid, pour order 12): 1081.4,447.9 1125.2,447.9 1130.2,452.9 1130.2,500.7 1117.9,513 1102.4,513 1086.6,528.8 1086.6,589.5 1068.8,607.3 972,607.3 940.8,576.1 940.8,451 962.9,428.9 1026.3,428.9 1033.2,422 1077.1,422 1079.4,424.3 1079.4,445.9
NetC35_1 on Bottom Layer "NETC35_1_L04_P011" (solid, pour order 11): 1087.6,442.5 1087.6,424.1 1089.4,422.3 1177.4,422.3 1188.2,433.1 1188.2,496.8 1246.8,555.4 1295.1,555.4 1298.4,558.7 1298.4,589.6 1295.8,592.2 1249.6,592.2 1210.7,631.1 1118.2,631.1 1099.8,612.7 1099.8,533.4 1110.5,522.7 1120,522.7 1138.3,504.4 1138.3,449.7 1132.7,444.1 1089.2,444.1
VIN26 on Bottom Layer "VIN26_L04_P010" (solid, pour order 10): 1130,416.8 1130,399.5 1127.5,397 1077.8,397 1061.9,381.1 1061.9,325.1 1059.6,322.8 963.3,322.8 954.8,331.3 954.8,405.3 966.2,416.7
GND on Power "GND_L03_P021" (solid, pour order 21): 0,0 1417.4,0 1417.4,1417.4 0,1417.4
VDD5V on Power "VDD5V_L03_P016" (solid, pour order 16): 840.2,776.7 840.2,660.6 865.8,635 983.7,635 1008.3,659.6 1008.3,1097.1 1113.8,1202.6 1403.9,1202.6 1417.1,1215.8 1417.1,1355.5 1355.3,1417.3 922.9,1417.3 909.4,1403.8 909.4,1333.1 864.4,1288.1 196.9,1288.1 151.6,1242.8 151.6,1164.7 176.2,1140.1 793.2,1140.1 840.2,1093.1
VIN26 on Power "VIN26_L03_P014" (solid, pour order 14): 968.1,390.1 991.5,413.5 1067,413.5 1085.9,394.6 1085.9,319.1 1158.3,246.7 1388.7,246.7 1403.6,231.8 1403.6,199.2 1389.3,184.9 1359,184.9 997.5,184.9 968.1,214.3
GND on GND "GND_L02_P019" (solid, pour order 19): 0,0 1417.4,0 1417.4,1417.4 0,1417.4

## Other copper
Top Layer:
  rectangle net VDDMCU: 206.1,1012.8 276.3,1126.4
  rectangle net GND: 4.8,1093.3 81.4,1234.3
  rectangle net VDDMCU: 363.7,1016.9 461,1100.5
Power:
  rectangle net VDD5V: 130.6,1119.7 204,1232
Bottom Layer:
  rectangle net VDD5V: 19.1,527.5 102.9,567.2
  rectangle net VDD5V: 82.4,399.3 118,451.3
  rectangle net VDD5V: 18.1,399.3 100,517.4
  rectangle: 251.9,830.39 265.2,870.73
  rectangle net SPI2_MISO: 276.9,883.1 292.1,926.4
  rectangle net SPI2_SCK: 303.3,933.3 317.3,961.3
  rectangle net VBUS_IN: 20.3,593.3 100.3,705.3

## Silkscreen, mask and mechanical layers (free items; w line width, h text height)
Top Overlay:
  circle w8: c1056.3,482.3 r8.28
  text ">>>" at 1118.75,878.1 h100 r90
Bottom Overlay:
  text ">>>" at 1093.45,993.1 h100 r270
Mechanical 1:
  the board outline again, w8

## Text inside footprints (layer, text, board x,y; h text height)
stm32h743VIT6: Multi-Layer "Copyright (C) 2016 Accelerated Designs. All rights reserved" at 30.3,-20.7 h1